# KiCad board Y_BUS_Ctrl.kicad_pcb (continued)
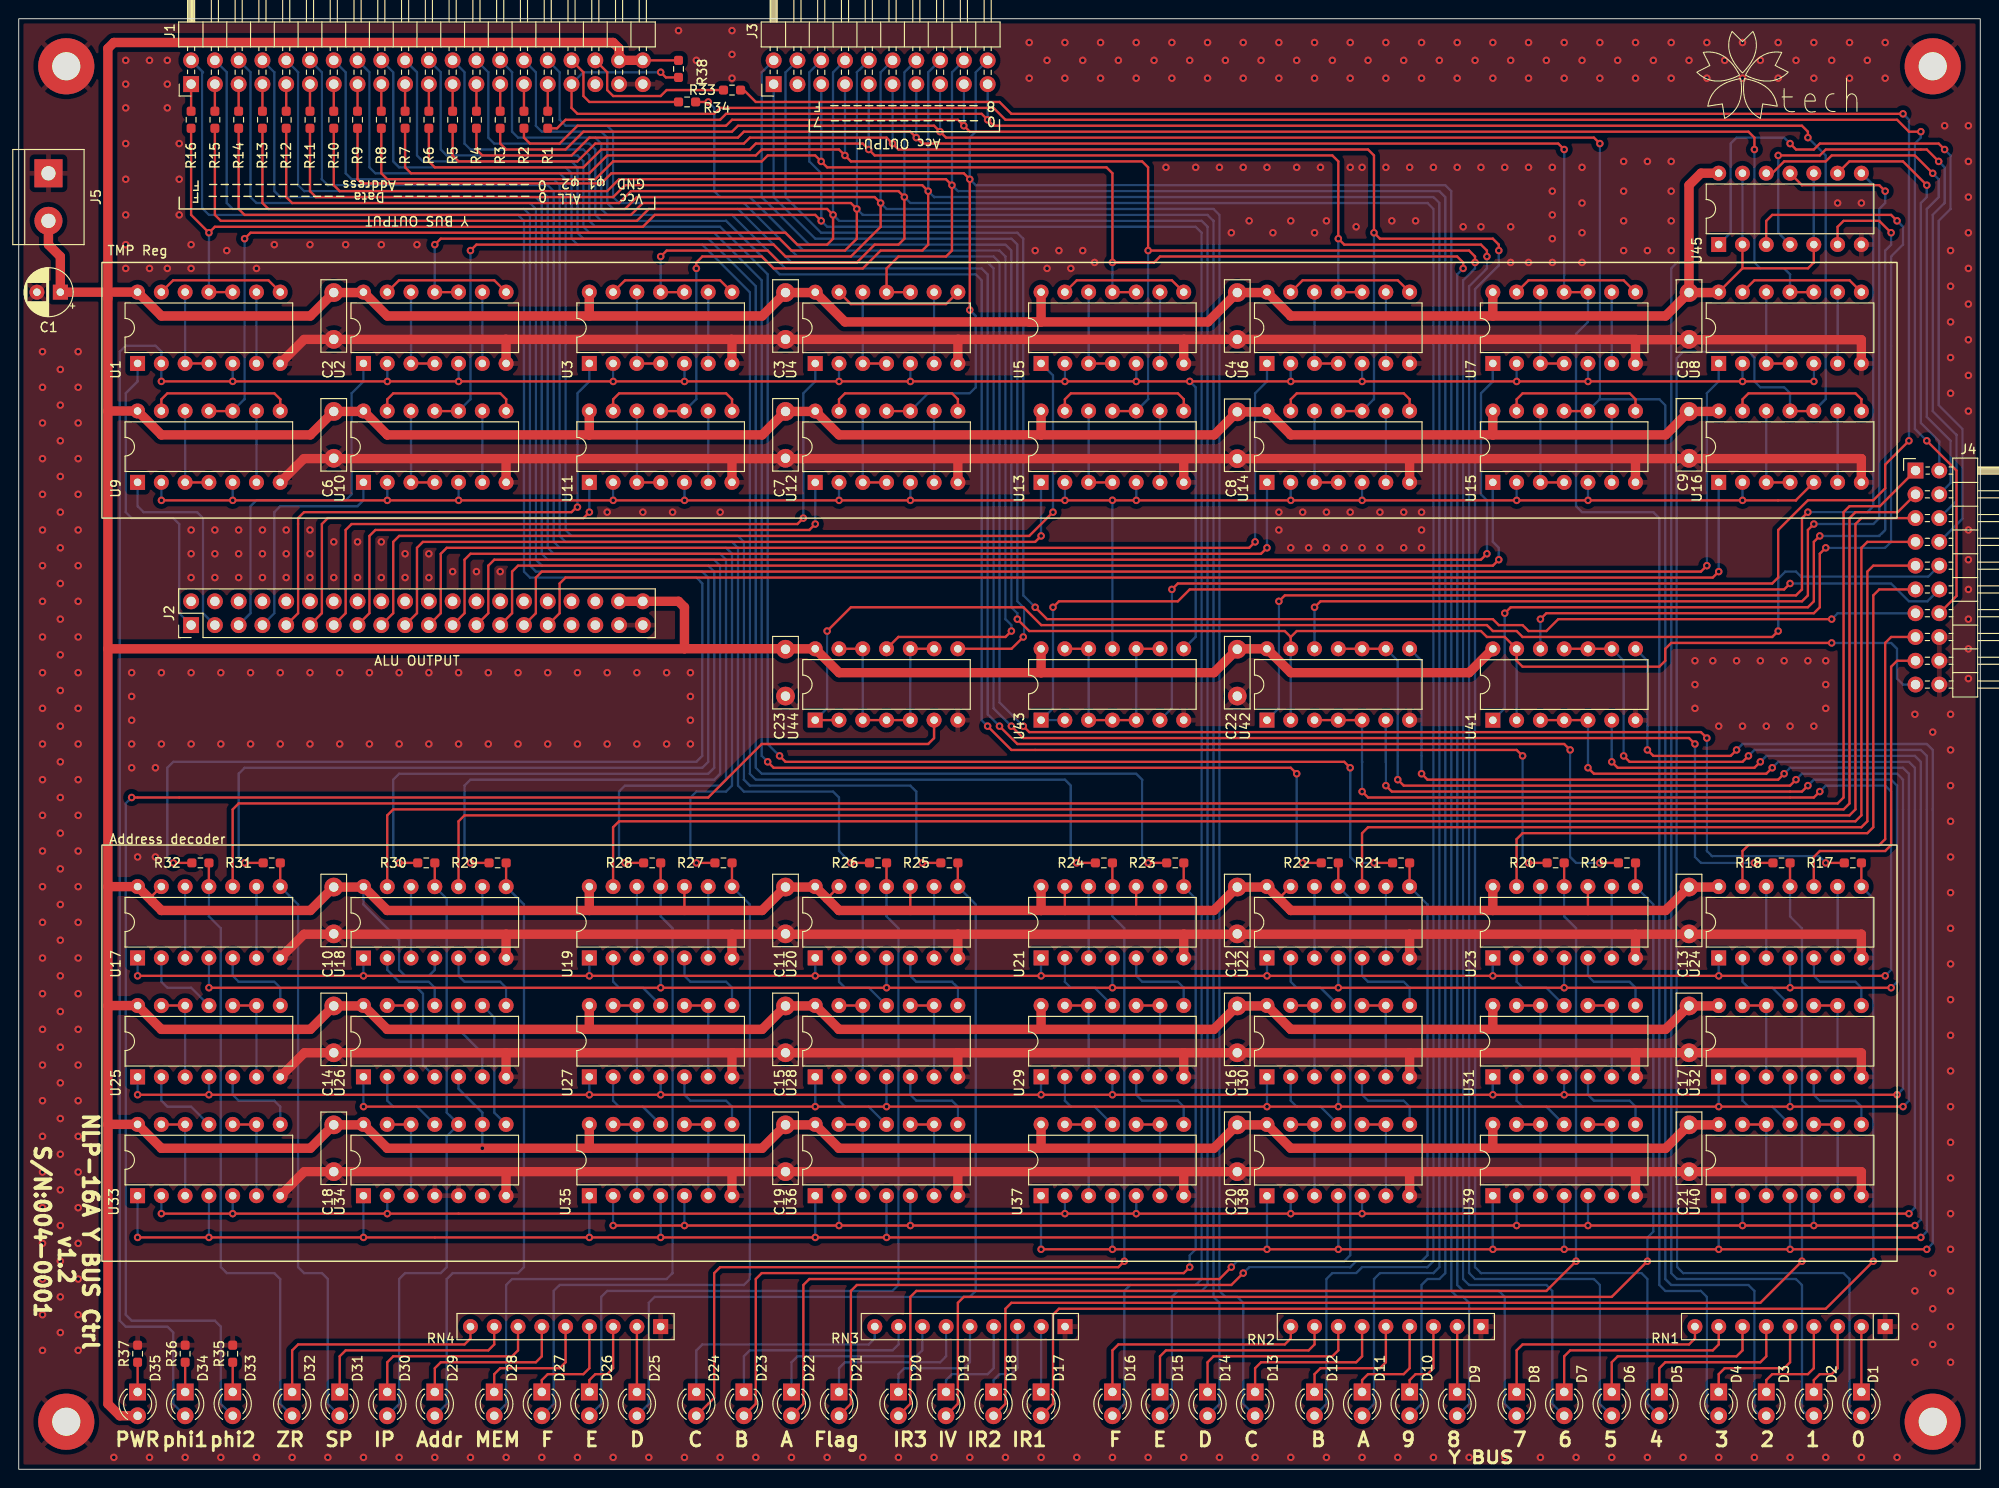
[diagram p0: board, top side]
## Routing (per net, layer and track width the routed paths; a pad name or vN(x,y) marks a point on that pad's centre or on a via; arc(x,y) is an arc through that point) (continued)
OUT6: length 291.2
  Top w0.25: R7.2 41.27,139.06 41.91,138.43 60.96,138.43 62.87,140.33 78.74,140.33 79.38,140.97 87.63,140.97 v1(88.26,140.33) 88.9,139.7 120.02,139.7 120.65,139.06 v1(120.65,130.17) 154.94,130.17 155.58,129.54 v1(155.58,128.9) ; 116.84,113.03 119.38,113.03
  Bottom w0.25: U13.10 120.64,114.3 120.65,114.3 v1(120.65,130.17) ; v1(155.58,128.9) 155.58,128.27 154.31,127 154.31,20.32 154.94,19.69 163.19,19.69 163.83,19.05 163.83,6.99 D7.2 ; v1(88.26,140.33) 88.27,140.34 J3.7
OUT7: length 274.8
  Top w0.25: 116.84,125.73 119.38,125.73 ; R8.2 38.74,138.43 39.37,137.79 61.6,137.79 63.5,139.7 79.38,139.7 80.01,140.33 85.09,140.33 v1(85.72,139.7) 86.36,139.06 116.21,139.06 116.84,138.43 v1(116.84,128.9) 121.28,128.9 121.92,129.54 153.67,129.54 154.31,128.9 v1(154.31,128.27)
  Bottom w0.25: U5.11 116.84,127.63 116.84,127.63 v1(116.84,128.9) ; J3.5 85.73,139.7 v1(85.72,139.7) ; D8.2 158.75,6.99 158.75,18.41 158.12,19.05 154.31,19.05 153.67,19.69 153.67,127.63 v1(154.31,128.27)
OUT8: length 302.7
  Top w0.25: R9.2 36.2,137.79 36.65,137.34 62.23,137.34 63.32,138.43 100.97,138.43 v1(101.6,137.79) v1(101.6,123.82) ; U12.11 U12.10
  Bottom w0.25: U12.10 97.16,114.93 101.6,114.93 102.24,115.57 102.24,123.19 v1(101.6,123.82) ; J3.20 102.24,149.21 102.24,142.88 101.6,142.24 v1(101.6,137.79) 102.24,137.16 152.4,137.16 153.03,136.52 153.03,19.05 153.67,18.41 154.31,18.41 154.94,17.78 154.94,6.99 D9.2
OUT9: length 292.6
  Top w0.25: U4.10 U4.11 92.71,128.27 93.98,129.54 99.06,129.54 99.69,130.17 v1(99.69,137.16) 99.06,137.79 64.13,137.79 62.87,136.52 34.29,136.52 33.65,137.16 R10.2
  Bottom w0.25: D10.2 149.86,6.99 149.86,19.69 150.5,20.32 151.77,20.32 152.4,20.95 152.4,135.89 151.77,136.52 100.33,136.52 v1(99.69,137.16) 99.69,149.21 J3.18
OUT10: length 331
  Top w0.25: v1(72.39,128.27) 72.39,128.9 73.03,129.54 79.38,129.54 80.65,128.27 90.17,128.27 92.08,130.17 96.52,130.17 97.16,130.81 v1(97.16,136.52) 96.52,137.16 64.77,137.16 63.5,135.89 31.75,135.89 31.12,136.52 R11.2 ; 68.58,113.03 71.12,113.03
  Bottom w0.25: U11.10 72.38,114.3 72.39,114.3 v1(72.39,128.27) ; J3.16 97.16,149.21 v1(97.16,136.52) 97.79,135.89 151.13,135.89 151.77,135.25 151.77,21.59 151.13,20.95 145.42,20.95 144.78,20.32 144.78,6.99 D11.2
OUT11: length 325
  Top w0.25: 68.58,125.73 71.12,125.73 ; v1(68.58,129.54) 69.22,130.17 80.01,130.17 81.28,128.9 89.53,128.9 91.44,130.81 93.98,130.81 94.62,131.44 v1(94.62,135.89) 93.98,136.52 65.41,136.52 64.13,135.25 29.21,135.25 28.57,135.89 R12.2
  Bottom w0.25: J3.14 94.62,149.21 v1(94.62,135.89) 95.25,135.25 150.5,135.25 151.13,134.62 151.13,22.22 150.5,21.59 143.51,21.59 142.88,20.95 140.34,20.95 139.7,20.32 139.7,6.99 D12.2 ; v1(68.58,129.54) 68.58,127.64 68.57,127.64 U3.11
OUT12: length 326.8
  Top w0.25: v1(48.26,130.17) 48.9,130.81 80.65,130.81 81.91,129.54 88.9,129.54 92.08,132.71 v1(92.08,135.25) 91.44,135.89 66.04,135.89 64.77,134.62 26.67,134.62 26.03,135.25 R13.2 ; 44.45,113.03 46.99,113.03
  Bottom w0.25: v1(48.26,130.17) 48.26,114.3 48.24,114.3 U10.10 ; J3.12 92.08,149.21 v1(92.08,135.25) 92.71,134.62 127.64,134.62 128.27,133.98 128.27,19.05 128.91,18.41 130.18,18.41 130.81,17.78 130.81,6.99 D13.2
OUT13: length 316.3
  Top w0.25: 44.45,125.73 46.99,125.73 ; R14.2 23.49,134.62 24.13,133.98 65.41,133.98 66.68,135.25 88.9,135.25 v1(89.53,134.62) 89.53,131.44 88.26,130.17 82.55,130.17 81.28,131.44 45.09,131.44 v1(44.45,130.81)
  Bottom w0.25: D14.2 128.27,6.98 128.27,17.78 127.64,18.41 127.64,133.35 127,133.98 90.17,133.98 v1(89.53,134.62) 89.53,149.21 J3.10 ; U2.11 44.45,130.81 v1(44.45,130.81)
OUT14: length 352.4
  Top w0.25: v1(24.13,131.44) 24.77,132.08 81.91,132.08 83.19,130.81 86.36,130.81 87,131.44 v1(87,133.98) 86.36,134.62 67.31,134.62 66.04,133.35 21.59,133.35 20.95,133.98 R15.2 ; 20.32,113.03 22.86,113.03
  Bottom w0.25: U9.10 24.12,114.3 24.13,114.3 v1(24.13,131.44) ; D15.2 123.19,6.98 123.19,18.41 123.83,19.05 126.37,19.05 127,19.69 127,132.71 126.37,133.35 87.63,133.35 v1(87,133.98) 87,149.21 J3.8
OUT15: length 281
  Top w0.25: U1.11 U1.10 ; R16.2 18.41,133.98 v1(20.32,132.08) 20.95,132.71 66.68,132.71 67.94,133.98 85.09,133.98 v1(85.72,133.35)
  Bottom w0.25: v1(20.32,132.08) 20.32,127.64 20.31,127.64 U1.11 ; J3.6 84.46,149.21 84.46,139.7 85.72,138.43 v1(85.72,133.35) 86.36,132.71 125.73,132.71 126.37,132.08 126.37,20.32 125.73,19.69 118.75,19.69 118.11,19.05 118.11,6.99 D16.2
phi1: length 112.2
  Top w0.25: v1(189.23,94.61) 188.59,93.98 125.09,93.98 123.83,92.71 111.12,92.71 v1(110.49,92.07)
  Bottom w0.25: U43.2 U43.1 109.23,80.02 110.49,81.28 v1(110.49,92.07) ; J4.12 203.9,92.71 201.93,92.71 200.03,94.61 v1(189.23,94.61)
phi1_bus: length 16.6
  Top w0.25: J1.36 62.87,149.22 62.87,147.32 63.5,146.69 68.58,146.69 69.22,147.32 R33.2
phi1_Reg1: length 221.9
  Top w0.25: U16.5 189.87,103.52 189.87,103.5 189.86,103.49 v1(15.24,103.49)
  Bottom w0.25: v1(22.87,103.49) 22.87,105.4 22.86,105.41 ; 184.15,105.41 184.15,103.5 v1(184.16,103.49) ; 39.37,105.41 39.37,103.5 v1(39.37,103.49) ; 119.38,105.41 119.39,105.4 v1(119.39,103.49) ; 160.02,105.41 160.02,103.5 v1(160.03,103.49) ; v1(135.9,103.49) 135.89,103.5 135.89,105.41 ; v1(87.63,103.49) 87.63,103.5 U12.2 ; v1(167.65,103.49) 167.65,105.4 167.64,105.41 ; 111.76,105.41 111.76,103.5 v1(111.77,103.49) ; v1(95.25,103.49) 95.25,105.4 U12.5 ; U43.11 116.84,103.5 v1(116.84,103.5) ; v1(143.52,103.49) 143.52,105.4 143.51,105.41 ; 63.5,105.41 63.5,103.5 v1(63.51,103.49) ; 46.99,105.41 46.99,105.4 v1(46.99,103.49) ; v1(71.12,103.49) 71.12,105.4 71.12,105.41 ; 15.24,105.41 15.24,103.5 v1(15.24,103.49)
phi1_Reg2: length 362
  Top w0.25: v1(191.78,116.19) 191.77,116.2 v1(15.24,116.2)
  Bottom w0.25: v1(191.78,116.19) 191.78,118.1 191.77,118.11 ; 39.37,118.11 39.37,116.2 v1(39.37,116.19) ; v1(46.99,116.19) 46.99,118.1 46.99,118.11 ; 167.64,118.11 167.65,118.1 v1(167.65,116.19) ; 111.76,118.11 111.76,116.2 v1(111.77,116.19) ; v1(71.12,116.19) 71.12,118.1 71.12,118.11 ; v1(15.24,116.2) 15.23,116.21 U1.2 15.23,119.37 15.24,119.38 14.6,120.01 11.43,120.01 10.8,119.38 10.8,15.88 11.43,15.24 15.88,15.24 16.51,14.6 16.51,6.98 D34.2 ; U1.5 22.86,118.11 v1(22.86,116.2) ; v1(95.25,116.19) 95.25,118.1 U4.5 ; v1(87.63,116.19) 87.63,116.2 U4.2 ; U43.8 125.72,88.9 125.73,88.9 125.73,115.57 v1(125.09,116.2) ; v1(184.16,116.19) 184.15,116.2 184.15,118.11 ; v1(119.39,116.19) 119.39,118.1 119.38,118.11 ; 135.89,118.11 135.89,116.2 v1(135.9,116.19) ; v1(63.51,116.19) 63.5,116.2 63.5,118.11 ; 160.02,118.11 160.02,116.2 v1(160.03,116.19) ; v1(143.52,116.19) 143.52,118.1 143.51,118.11
phi2: length 140.6
  Top w0.25: v1(86.36,89.53) 88.9,92.07 107.33,92.07 109.24,90.17 156.84,90.17 157.48,89.53 160.02,89.53 160.66,88.9 187.33,88.9 v1(187.96,89.53) ; U44.1 U44.2
  Bottom w0.25: v1(187.96,89.53) 187.96,95.13 188.72,95.88 189.87,95.88 190.41,95.34 204,95.34 J4.10 ; U44.1 86.36,81.29 v1(86.36,89.53)
phi2_Acc: length 90
  Top w0.25: U44.8 106.06,87.64 v1(107.31,88.9)
  Bottom w0.25: J3.1 80.65,146.69 80.65,146.69 80.65,135.89 85.09,131.44 106.05,131.44 106.68,130.81 106.68,92.71 107.41,91.98 107.41,88.99 v1(107.31,88.9)
phi2_bus: length 14.8
  Top w0.25: J1.34 60.32,149.22 60.32,146.69 60.96,146.05 R34.2
Reg_Addr0: length 42.7
  Top w0.25: v1(203.84,137.16) 201.3,139.7 195.56,139.7 U45.9
  Bottom w0.25: J4.2 205.17,109.79 203.2,111.76 203.2,135.25 203.84,135.89 v1(203.84,137.16)
Reg_Addr1: length 56
  Top w0.25: U45.12 187.34,138.44 188.59,139.7 193.04,139.7 193.68,140.33 202.56,140.33 v1(204.47,138.43)
  Bottom w0.25: J4.4 206.38,105.34 206.38,109.85 203.84,112.39 203.84,134.62 205.11,135.89 205.11,137.79 v1(204.47,138.43)
Reg_Addr2: length 68.7
  Top w0.25: v1(205.11,139.7) 203.84,140.97 193.04,140.97 192.41,140.33 v1(187.96,140.33)
  Bottom w0.25: J4.6 207.01,103.44 207.01,110.49 204.47,113.03 204.47,133.98 205.74,135.25 205.74,139.06 v1(205.11,139.7) ; v1(187.96,140.33) 187.96,132.08 187.97,132.08 U45.4
Reg_Addr3: length 80.3
  Top w0.25: v1(205.74,140.97) 205.11,141.6 192.41,141.6 191.77,140.97 189.87,140.97 v1(189.23,141.6)
  Bottom w0.25: v1(189.23,141.6) 188.59,142.24 183.52,142.24 182.88,141.6 182.88,132.09 U45.1 ; J4.8 207.65,101.53 207.65,111.12 205.11,113.66 205.11,133.35 206.38,134.62 206.38,140.33 v1(205.74,140.97)
~Acc: length 178.2
  Top w0.25: v1(108.59,92.07) 109.86,90.8 157.48,90.8 158.12,90.17 160.66,90.17 161.29,89.53 163.19,89.53 164.47,90.8 v1(193.68,90.8)
  Bottom w0.25: J4.13 194.31,91.44 v1(193.68,90.8) ; v1(108.59,92.07) 107.31,93.34 107.31,131.44 106.68,132.08 85.72,132.08 81.91,135.89 81.91,149.21 J3.4
~Address: length 193.9
  Top w0.25: J4.5 196.85,101.6 196.22,100.96 196.22,70.48 195.58,69.85 47.62,69.85 46.99,69.21 46.99,62.24
~Flag: length 92.3
  Top w0.25: U22.10 143.5,67.94 144.15,68.58 196.85,68.58 197.49,69.21 197.49,95.88 198.12,96.52 J4.9
~INTERNAL: length 205.1
  Top w0.25: 135.89,88.89 U42.13 ; 135.89,88.89 136.53,89.53 156.21,89.53 156.84,88.9 158.75,88.9 U41.13 160.02,86.36 160.66,85.72 175.26,85.72 175.9,86.36 175.9,87.63 176.53,88.26 v1(193.68,88.26) ; 135.89,88.89 135.89,88.9 135.25,89.53 107.95,89.53 v1(106.68,90.8)
  Bottom w0.25: U42.13 U42.2 ; U41.13 U41.2 ; v1(193.68,88.26) 200.03,88.26 200.66,87.63 200.66,84.45 201.3,83.82 J4.19 ; v1(106.68,90.8) 106.68,91.44 106.05,92.07 106.05,130.17 105.41,130.81 84.46,130.81 79.38,135.89 79.38,149.22 79.38,149.22 J3.2
~IP: length 202.9
  Top w0.25: J4.3 200.72,102.23 196.22,102.23 195.58,101.6 195.58,71.12 194.94,70.48 40.01,70.48 39.37,69.84 39.37,62.24
~IR1: length 33.9
  Top w0.25: U24.10 191.77,65.4 192.41,66.04 199.39,66.04 200.03,66.67 200.03,85.72 200.66,86.36 J4.17
~IR2: length 44
  Top w0.25: U24.13 184.15,66.03 184.78,66.67 198.75,66.67 199.39,67.31 199.39,88.26 200.03,88.9 J4.15
~IR3: length 73.2
  Top w0.25: J4.11 198.75,93.98 198.12,93.34 198.12,68.58 197.49,67.94 160.66,67.94 160.02,67.3 U23.13
~MEM: length 174.8
  Top w0.25: J4.7 197.49,99.06 196.85,98.42 196.85,69.85 196.22,69.21 64.13,69.21 63.49,68.57 U19.13
~SP: length 220.9
  Top w0.25: J4.1 198.82,102.87 195.58,102.87 194.94,102.23 194.94,71.75 194.31,71.12 23.49,71.12 22.85,70.48 U17.10
Net-(D1-Pad1): length 7
  Top w0.25: 196.85,15.24 D1.1
Net-(D2-Pad1): length 8.8
  Top w0.25: RN1.3 194.31,10.79 193.68,10.16 192.41,10.16 191.77,9.52 D2.1
Net-(D3-Pad1): length 11.3
  Top w0.25: RN1.4 191.77,10.79 191.14,10.16 187.33,10.16 186.69,9.52 D3.1
Net-(D4-Pad1): length 13.9
  Top w0.25: D4.1 181.61,10.16 182.25,10.79 188.59,10.79 189.23,11.43 RN1.5
Net-(D5-Pad1): length 17.7
  Top w0.25: 186.69,15.24 186.69,12.06 186.06,11.43 175.9,11.43 175.26,10.79 D5.1
Net-(D6-Pad1): length 20.2
  Top w0.25: D6.1 170.18,11.43 170.81,12.06 183.52,12.06 184.15,12.7 RN1.7
Net-(D7-Pad1): length 22.7
  Top w0.25: RN1.8 181.61,13.33 180.97,12.7 165.74,12.7 165.1,12.06 D7.1
Net-(D8-Pad1): length 25.3
  Top w0.25: D8.1 160.02,12.7 160.66,13.33 178.44,13.33 179.07,13.97 179.07,15.24
Net-(D9-Pad1): length 7
  Top w0.25: RN2.2 D9.1
Net-(D10-Pad1): length 8.8
  Top w0.25: RN2.3 151.13,10.79 150.5,10.16 149.22,10.16 148.59,9.52 D10.1
Net-(D11-Pad1): length 11.3
  Top w0.25: D11.1 143.51,9.52 144.15,10.16 147.96,10.16 148.59,10.79 RN2.4
Net-(D12-Pad1): length 13.9
  Top w0.25: D12.1 138.43,10.16 139.06,10.79 145.42,10.79 146.05,11.43 RN2.5
Net-(D13-Pad1): length 17.7
  Top w0.25: RN2.6 143.51,12.06 142.88,11.43 132.72,11.43 132.08,10.79 D13.1
Net-(D14-Pad1): length 20.2
  Top w0.25: D14.1 127,11.43 127.64,12.06 140.34,12.06 140.97,12.7 RN2.7
Net-(D15-Pad1): length 22.8
  Top w0.25: RN2.8 138.43,13.33 137.8,12.7 122.56,12.7 121.92,12.06 D15.1
Net-(D16-Pad1): length 25.3
  Top w0.25: RN2.9 135.89,13.97 135.25,13.33 117.47,13.33 116.84,12.7 D16.1
Net-(D17-Pad1): length 7
  Bottom w0.25: D17.1 109.22,15.22 RN3.2
Net-(D18-Pad1): length 8.8
  Bottom w0.25: D18.1 104.14,9.52 104.78,10.16 106.05,10.16 106.69,10.81 RN3.3
Net-(D19-Pad1): length 11.3
  Bottom w0.25: D19.1 99.06,9.52 99.69,10.16 103.5,10.16 104.16,10.81 RN3.4
Net-(D20-Pad1): length 13.9
  Bottom w0.25: D20.1 93.98,10.16 94.62,10.79 100.97,10.79 101.62,11.44 RN3.5
Net-(D21-Pad1): length 17.7
  Bottom w0.25: RN3.6 99.08,12.08 98.43,11.43 88.26,11.43 87.63,10.79 D21.1
Net-(D22-Pad1): length 20.2
  Bottom w0.25: RN3.7 96.53,12.72 95.89,12.06 83.19,12.06 82.55,11.43 D22.1
Net-(D23-Pad1): length 22.8
  Bottom w0.25: D23.1 77.47,12.06 78.1,12.7 93.34,12.7 94,13.35 RN3.8
Net-(D24-Pad1): length 25.3
  Bottom w0.25: RN3.9 91.46,13.98 90.81,13.33 73.03,13.33 72.39,12.7 D24.1
Net-(D25-Pad1): length 7
  Top w0.25: RN4.2 D25.1
Net-(D26-Pad1): length 8.8
  Top w0.25: D26.1 60.96,9.52 61.6,10.16 62.87,10.16 63.5,10.79 RN4.3
Net-(D27-Pad1): length 11.3
  Top w0.25: RN4.4 60.96,10.79 60.32,10.16 56.51,10.16 55.88,9.52 D27.1
Net-(D28-Pad1): length 13.9
  Top w0.25: RN4.5 58.42,11.43 57.79,10.79 51.43,10.79 50.8,10.16 D28.1
Net-(D29-Pad1): length 17.7
  Top w0.25: D29.1 44.45,10.79 45.09,11.43 55.24,11.43 55.88,12.06 RN4.6
Net-(D30-Pad1): length 20.2
  Top w0.25: RN4.7 53.34,12.7 52.71,12.06 40.01,12.06 39.37,11.43 D30.1
Net-(D31-Pad1): length 22.8
  Top w0.25: RN4.8 50.8,13.33 50.16,12.7 34.93,12.7 34.29,12.06 D31.1
Net-(D32-Pad1): length 25.3
  Top w0.25: RN4.9 48.26,13.97 47.62,13.33 29.85,13.33 29.21,12.7 D32.1
Net-(D33-Pad1): length 3.2
  Top w0.25: R35.1 D33.1
Net-(D33-Pad2): length 166.5
  Top w0.25: U44.6 97.78,78.1 97.16,77.47 79.38,77.47 73.66,71.75 v1(12.06,71.75)
  Bottom w0.25: D33.2 21.59,6.99 21.59,15.24 20.95,15.88 12.06,15.88 11.43,16.51 11.43,71.12 v1(12.06,71.75)
Net-(D34-Pad1): length 3.2
  Top w0.25: R36.1 D34.1
Net-(D35-Pad1): length 3.2
  Top w0.25: R37.1 D35.1
Net-(J1-Pad1): length 2.9
  Top w0.25: J1.1 R16.1
Net-(J1-Pad2): length 196.8
  Top w0.25: R32.2 v1(16.51,64.77)
  Bottom w0.25: J1.2 19.69,149.22 19.59,149.13 19.59,134.71 20.32,133.98 53.34,133.98 53.98,133.35 53.98,95.88 54.61,95.25 72.39,95.25 73.03,94.61 73.03,76.2 72.39,75.56 16.51,75.56 15.88,74.93 15.88,65.4 v1(16.51,64.77)
Net-(J1-Pad3): length 2.9
  Top w0.25: R15.1 J1.3
Net-(J1-Pad4): length 187.9
  Top w0.25: R31.2 v1(24.13,64.77)
  Bottom w0.25: J1.4 22.23,149.22 22.23,135.25 22.86,134.62 53.98,134.62 54.61,133.98 54.61,96.52 55.24,95.88 73.03,95.88 73.66,95.25 73.66,75.56 73.03,74.93 24.13,74.93 23.49,74.29 23.49,65.4 v1(24.13,64.77)
Net-(J1-Pad5): length 2.9
  Top w0.25: R14.1 J1.5
Net-(J1-Pad6): length 170.1
  Top w0.25: R30.2 v1(40.64,64.77)
  Bottom w0.25: v1(40.64,64.77) 40.01,65.4 40.01,73.66 40.64,74.29 73.66,74.29 74.29,74.93 74.29,95.88 73.66,96.52 55.88,96.52 55.24,97.15 55.24,134.62 54.61,135.25 25.4,135.25 24.77,135.89 24.77,149.22 J1.6
Net-(J1-Pad7): length 2.9
  Top w0.25: R13.1 J1.7
Net-(J1-Pad8): length 161.2
  Top w0.25: R29.2 v1(48.26,64.77)
  Bottom w0.25: J1.8 27.3,149.22 27.3,136.52 27.94,135.89 55.24,135.89 55.88,135.25 55.88,97.79 56.51,97.15 74.29,97.15 74.93,96.52 74.93,74.29 74.29,73.66 48.26,73.66 47.62,73.02 47.62,65.4 v1(48.26,64.77)
Net-(J1-Pad9): length 2.9
  Top w0.25: R12.1 J1.9
Net-(J1-Pad10): length 143.4
  Top w0.25: R28.2 v1(64.77,64.77)
  Bottom w0.25: J1.10 29.85,149.22 29.85,137.16 30.48,136.52 55.88,136.52 56.51,135.89 56.51,98.42 57.15,97.79 74.93,97.79 75.56,97.15 75.56,73.66 74.93,73.02 64.77,73.02 64.13,72.39 64.13,65.4 v1(64.77,64.77)
Net-(J1-Pad11): length 2.9
  Top w0.25: R11.1 J1.11
Net-(J1-Pad12): length 134.5
  Top w0.25: R27.2 v1(72.39,64.77)
  Bottom w0.25: v1(72.39,64.77) 71.75,65.4 71.75,71.75 72.39,72.39 75.56,72.39 76.2,73.02 76.2,97.79 75.56,98.42 57.79,98.42 57.15,99.06 57.15,136.52 56.51,137.16 33.02,137.16 32.38,137.79 32.38,149.22 J1.12
Net-(J1-Pad13): length 2.9
  Top w0.25: R10.1 J1.13
Net-(J1-Pad14): length 139.2
  Top w0.25: R26.2 v1(88.9,64.77)
  Bottom w0.25: v1(88.9,64.77) 87.63,66.04 87.63,71.75 87,72.39 77.47,72.39 76.84,73.02 76.84,98.42 76.2,99.06 58.42,99.06 57.79,99.69 57.79,137.16 57.15,137.79 35.56,137.79 34.93,138.43 34.93,149.22 J1.14
Net-(J1-Pad15): length 2.9
  Top w0.25: R9.1 J1.15
Net-(J1-Pad16): length 144.7
  Top w0.25: R25.2 v1(96.52,64.77)
  Bottom w0.25: v1(96.52,64.77) 95.89,65.4 95.89,72.39 95.25,73.02 78.1,73.02 77.47,73.66 77.47,99.06 76.84,99.69 59.05,99.69 58.42,100.33 58.42,137.79 57.79,138.43 38.1,138.43 37.46,139.06 37.46,149.22 J1.16
Net-(J1-Pad17): length 2.9
  Top w0.25: R8.1 J1.17
Net-(J1-Pad18): length 156.1
  Top w0.25: R24.2 v1(113.03,64.77)
  Bottom w0.25: J1.18 40.01,149.22 40.01,139.7 40.64,139.06 58.42,139.06 59.05,138.43 59.05,131.44 59.69,130.81 73.03,130.81 78.1,125.73 78.1,74.29 78.74,73.66 111.76,73.66 112.4,73.02 112.4,65.4 v1(113.03,64.77)
Net-(J1-Pad19): length 2.9
  Top w0.25: R7.1 J1.19
Net-(J1-Pad20): length 161.1
  Top w0.25: R23.2 v1(120.65,64.77)
  Bottom w0.25: v1(120.65,64.77) 120.02,65.4 120.02,73.66 119.38,74.29 79.38,74.29 78.74,74.93 78.74,126.36 73.66,131.44 60.32,131.44 59.69,132.08 59.69,139.06 59.05,139.7 43.18,139.7 42.54,140.33 42.54,149.22 J1.20
Net-(J1-Pad21): length 2.9
  Top w0.25: R6.1 J1.21
Net-(J1-Pad22): length 174.7
  Top w0.25: R22.2 v1(137.16,64.77) ; v1(80.01,75.56) 80.65,74.93 135.89,74.93 v1(136.53,74.29)
  Bottom w0.25: J1.22 45.09,149.22 45.09,140.97 45.72,140.33 59.69,140.33 60.32,139.7 60.32,132.71 60.96,132.08 74.29,132.08 79.38,127 79.38,76.2 v1(80.01,75.56) ; v1(136.53,74.29) 136.53,65.4 v1(137.16,64.77)
Net-(J1-Pad23): length 2.9
  Top w0.25: R5.1 J1.23
Net-(J1-Pad24): length 179.4
  Top w0.25: R21.2 v1(144.78,64.77) ; v1(142.24,74.93) 141.61,75.56 81.91,75.56 v1(81.28,76.2)
  Bottom w0.25: v1(144.78,64.77) 142.88,64.77 142.24,65.4 v1(142.24,74.93) ; v1(81.28,76.2) 80.01,77.47 80.01,127.63 74.93,132.71 61.6,132.71 60.96,133.35 60.96,140.33 60.32,140.97 48.26,140.97 47.62,141.6 47.62,149.22 J1.24
Net-(J1-Pad25): length 2.9
  Top w0.25: R4.1 J1.25
Net-(J1-Pad26): length 191.9
  Top w0.25: v1(160.66,76.2) 160.02,76.83 106.05,76.83 v1(103.5,79.37) ; R20.2 v1(161.29,64.77)
  Bottom w0.25: v1(161.29,64.77) 160.66,65.4 v1(160.66,76.2) ; v1(103.5,79.37) 102.87,80.01 102.87,127 102.24,127.63 81.28,127.63 75.56,133.35 62.23,133.35 61.6,133.98 61.6,140.97 60.96,141.6 50.8,141.6 50.16,142.24 50.16,149.22 J1.26
Net-(J1-Pad27): length 2.9
  Top w0.25: R3.1 J1.27
Net-(J1-Pad28): length 197
  Top w0.25: R19.2 v1(168.91,64.77) ; v1(165.74,76.83) 165.1,77.47 106.68,77.47 v1(104.78,79.37)
  Bottom w0.25: J1.28 52.71,149.22 52.71,142.88 53.34,142.24 61.6,142.24 62.23,141.6 62.23,134.62 62.87,133.98 76.2,133.98 81.91,128.27 102.87,128.27 103.5,127.63 103.5,80.64 v1(104.78,79.37) ; v1(168.91,64.77) 166.37,64.77 165.74,65.4 v1(165.74,76.83)
Net-(J1-Pad29): length 2.9
  Top w0.25: R2.1 J1.29
Net-(J1-Pad30): length 211
  Top w0.25: v1(106.05,79.37) 107.31,78.1 178.44,78.1 v1(179.07,77.47) ; R18.2 v1(185.42,64.77)
  Bottom w0.25: v1(106.05,79.37) 104.14,81.28 104.14,128.27 103.5,128.9 82.55,128.9 76.84,134.62 63.5,134.62 62.87,135.25 62.87,142.24 62.23,142.88 55.88,142.88 55.24,143.51 55.24,149.22 J1.30 ; v1(179.07,77.47) 179.07,65.4 179.71,64.77 v1(185.42,64.77)
Net-(J1-Pad31): length 2.9
  Top w0.25: J1.31 R1.1
Net-(J1-Pad32): length 215.7
  Top w0.25: R17.2 v1(193.04,64.77) ; v1(107.31,79.37) 107.95,78.74 179.71,78.74 v1(180.34,78.1)
  Bottom w0.25: v1(180.34,78.1) 180.34,66.04 180.89,65.49 192.31,65.49 v1(193.04,64.77) ; v1(107.31,79.37) 104.78,81.91 104.78,128.9 104.14,129.54 83.19,129.54 77.47,135.25 64.13,135.25 63.5,135.89 63.5,142.88 62.87,143.51 58.42,143.51 57.79,144.14 57.79,149.22 J1.32
Net-(R33-Pad1): length 264.7
  Top w0.25: R33.1 77.47,147.32 78.74,146.05 104.78,146.05 106.05,144.78 v1(201.3,144.78) ; v1(123.19,93.98) 123.83,94.61 187.33,94.61 187.96,95.25 187.96,100.33 191.14,103.5 198.12,103.5 199.39,104.77 199.39,107.31 v1(201.93,109.85)
  Bottom w0.25: v1(201.93,109.85) 201.93,144.14 v1(201.3,144.78) ; U43.6 123.19,81.29 v1(123.19,93.98)
Net-(R34-Pad1): length 99.5
  Top w0.25: v1(106.05,89.53) 105.41,88.9 93.97,88.9 U44.11 ; v1(73.66,146.05) R34.1
  Bottom w0.25: v1(106.05,89.53) 106.05,90.17 105.41,90.8 105.41,129.54 104.78,130.17 83.82,130.17 78.1,135.89 74.93,135.89 74.29,136.52 74.29,145.41 v1(73.66,146.05)
Net-(U1-Pad6): length 7.6
  Bottom w0.25: U1.9 U1.6
Net-(U1-Pad12): length 10.2
  Top w0.25: U1.4 U1.3
  Bottom w0.25: U1.12 U1.3
Net-(U1-Pad13): length 13.7
  Top w0.25: U1.13 16.49,127 26.67,127 U1.8
Net-(U2-Pad6): length 7.6
  Bottom w0.25: 49.53,125.73 49.53,118.11
Net-(U2-Pad12): length 10.2
  Top w0.25: 44.45,118.11 41.91,118.11
  Bottom w0.25: 41.91,125.73 41.91,118.11
Net-(U2-Pad13): length 13.7
  Top w0.25: 52.07,125.73 50.8,127 40.62,127 39.37,125.74
Net-(U3-Pad6): length 7.6
  Bottom w0.25: 73.66,125.73 73.66,118.11
Net-(U3-Pad12): length 10.2
  Top w0.25: 68.58,118.11 66.04,118.11
  Bottom w0.25: 66.04,125.73 66.04,118.11
Net-(U3-Pad13): length 13.8
  Top w0.25: 76.2,125.73 74.93,127 64.77,127 63.5,125.73
Net-(U4-Pad6): length 7.6
  Bottom w0.25: U4.9 U4.6
Net-(U4-Pad12): length 10.2
  Top w0.25: U4.4 U4.3
  Bottom w0.25: U4.12 U4.3
Net-(U4-Pad13): length 13.8
  Top w0.25: U4.8 99.06,124.46 88.9,124.46 U4.13
Net-(U5-Pad6): length 7.6
  Bottom w0.25: 121.92,125.73 121.92,118.11
Net-(U5-Pad12): length 10.2
  Top w0.25: 116.84,118.11 114.3,118.11
  Bottom w0.25: 114.3,125.73 114.3,118.11
Net-(U5-Pad13): length 13.8
  Top w0.25: 124.46,125.73 123.19,127 113.03,127 111.76,125.73
Net-(U6-Pad6): length 7.6
  Bottom w0.25: 146.05,125.73 146.05,118.11
Net-(U6-Pad12): length 10.2
  Top w0.25: 140.97,118.11 138.43,118.11
  Bottom w0.25: 138.43,125.73 138.43,118.11
Net-(U6-Pad13): length 13.8
  Top w0.25: 135.89,125.73 137.16,127 147.33,127 148.59,125.73
Net-(U7-Pad6): length 7.6
  Bottom w0.25: 170.18,125.73 170.18,118.11
Net-(U7-Pad12): length 10.2
  Top w0.25: 165.1,118.11 162.56,118.11
  Bottom w0.25: 162.56,125.73 162.56,118.11
Net-(U7-Pad13): length 13.8
  Top w0.25: 160.02,125.73 161.29,127 171.45,127 172.72,125.73
Net-(U8-Pad6): length 7.6
  Bottom w0.25: 194.31,125.73 194.31,118.11
Net-(U8-Pad12): length 10.2
  Top w0.25: 189.23,118.11 186.69,118.11
  Bottom w0.25: 186.69,125.73 186.69,118.11
Net-(U8-Pad13): length 13.8
  Top w0.25: 196.85,125.73 195.59,127 185.42,127 184.15,125.73
Net-(U9-Pad6): length 7.6
  Bottom w0.25: 25.4,113.03 25.4,105.41
Net-(U9-Pad12): length 10.2
  Top w0.25: 20.32,105.41 17.78,105.41
  Bottom w0.25: 17.78,113.03 17.78,105.41
Net-(U9-Pad13): length 15.8
  Top w0.25: 15.24,113.03 15.24,114.28 15.88,114.92 27.31,114.92 27.95,114.29 27.94,114.28 27.94,113.03
Net-(U10-Pad6): length 7.6
  Bottom w0.25: 49.53,113.03 49.53,105.41
Net-(U10-Pad12): length 10.2
  Top w0.25: 44.45,105.41 41.91,105.41
  Bottom w0.25: 41.91,113.03 41.91,105.41
Net-(U10-Pad13): length 15.8
  Top w0.25: 39.37,113.03 39.37,114.28 40.01,114.92 51.44,114.92 52.07,114.29 52.07,114.28 52.07,113.03
Net-(U11-Pad6): length 7.6
  Bottom w0.25: 73.66,113.03 73.66,105.41
Net-(U11-Pad12): length 10.2
  Top w0.25: 68.58,105.41 66.04,105.41
  Bottom w0.25: 66.04,113.03 66.04,105.41
Net-(U11-Pad13): length 15.8
  Top w0.25: 63.5,113.03 63.5,114.28 64.14,114.92 75.57,114.92 76.21,114.29 76.2,114.28 76.2,113.03
Net-(U12-Pad6): length 7.6
  Bottom w0.25: U12.9 U12.6
Net-(U12-Pad12): length 10.2
  Top w0.25: U12.4 U12.3
  Bottom w0.25: U12.12 U12.3
Net-(U12-Pad13): length 15.8
  Top w0.25: U12.8 100.33,114.28 100.34,114.29 99.7,114.92 88.27,114.92 87.63,114.28 U12.13
Net-(U13-Pad6): length 7.6
  Bottom w0.25: 121.92,113.03 121.92,105.41
Net-(U13-Pad12): length 10.2
  Top w0.25: 116.84,105.41 114.3,105.41
  Bottom w0.25: 114.3,113.03 114.3,105.41
Net-(U13-Pad13): length 15.8
  Top w0.25: 124.46,113.03 124.46,114.28 124.47,114.29 123.83,114.92 112.4,114.92 111.76,114.28 111.76,113.03
Net-(U14-Pad6): length 7.6
  Bottom w0.25: 146.05,113.03 146.05,105.41
Net-(U14-Pad12): length 10.2
  Top w0.25: 140.97,105.41 138.43,105.41
  Bottom w0.25: 138.43,113.03 138.43,105.41
Net-(U14-Pad13): length 15.8
  Top w0.25: 135.89,113.03 135.89,114.28 136.53,114.92 147.96,114.92 148.59,114.29 148.59,114.28 148.59,113.03
Net-(U15-Pad6): length 7.6
  Bottom w0.25: 170.18,113.03 170.18,105.41
Net-(U15-Pad12): length 10.2
  Top w0.25: 165.1,105.41 162.56,105.41
  Bottom w0.25: 162.56,113.03 162.56,105.41
Net-(U15-Pad13): length 15.8
  Top w0.25: 172.72,113.03 172.72,114.28 172.72,114.29 172.09,114.92 160.66,114.92 160.02,114.28 160.02,113.03
Net-(U16-Pad6): length 7.6
  Bottom w0.25: 194.31,113.03 194.31,105.41
Net-(U16-Pad12): length 10.2
  Top w0.25: 189.23,105.41 186.69,105.41
  Bottom w0.25: 186.69,113.03 186.69,105.41
Net-(U16-Pad13): length 15.8
  Top w0.25: 196.85,113.03 196.85,114.28 196.86,114.29 196.22,114.92 184.79,114.92 184.15,114.28 184.15,113.03
Net-(U17-Pad2): length 8.7
  Bottom w0.25: 15.24,54.61 15.24,52.07 15.88,51.44 18.42,51.44 20.31,49.54
Net-(U17-Pad5): length 9.4
  Bottom w0.25: 27.93,49.54 27.93,51.44 27.3,52.07 23.49,52.07 22.86,52.7 22.86,54.61
Net-(U17-Pad6): length 7.6
  Bottom w0.25: 25.4,54.61 25.4,62.23
Net-(U17-Pad12): length 7.6
  Bottom w0.25: 17.78,62.23 17.78,54.61
Net-(U18-Pad2): length 9
  Bottom w0.25: 39.37,54.61 39.37,53.34 40.64,52.07 43.82,52.07 44.45,51.44 U26.11
Net-(U18-Pad5): length 9.4
  Bottom w0.25: U26.8 52.07,51.43 52.07,51.44 51.43,52.07 47.62,52.07 46.99,52.7 U18.5
Net-(U18-Pad6): length 7.6
  Bottom w0.25: 49.53,62.23 49.53,54.61
Net-(U18-Pad12): length 7.6
  Bottom w0.25: U18.12 U18.3
Net-(U19-Pad2): length 8.7
  Bottom w0.25: 63.5,54.61 63.5,52.07 64.13,51.44 66.68,51.44 U27.11
Net-(U19-Pad5): length 9.4
  Bottom w0.25: U27.8 76.19,51.44 75.56,52.07 71.75,52.07 71.12,52.7 71.12,54.61
Net-(U19-Pad6): length 7.6
  Bottom w0.25: 73.66,54.61 73.66,62.23
Net-(U19-Pad12): length 7.6
  Bottom w0.25: 66.04,62.23 66.04,54.61
Net-(U20-Pad2): length 8.7
  Bottom w0.25: 87.63,54.61 87.63,52.07 88.26,51.44 90.81,51.44 U28.11
Net-(U20-Pad5): length 9.4
  Bottom w0.25: 95.25,54.61 95.25,52.7 95.89,52.07 99.69,52.07 100.33,51.44 U28.8
Net-(U20-Pad6): length 7.6
  Bottom w0.25: 97.79,54.61 97.79,62.23
Net-(U20-Pad12): length 7.6
  Bottom w0.25: 90.17,62.23 90.17,54.61
Net-(U21-Pad2): length 8.7
  Bottom w0.25: 111.76,54.61 111.76,52.07 112.4,51.44 114.94,51.44 U29.11
Net-(U21-Pad5): length 9.4
  Bottom w0.25: 119.38,54.61 119.38,52.7 120.02,52.07 123.83,52.07 124.46,51.44 U29.8
Net-(U21-Pad6): length 7.6
  Bottom w0.25: 121.92,54.61 121.92,62.23
Net-(U21-Pad12): length 7.6
  Bottom w0.25: 114.3,62.23 114.3,54.61
Net-(U22-Pad2): length 8.7
  Bottom w0.25: U30.11 139.07,51.44 136.53,51.44 135.89,52.07 135.89,54.61
Net-(U22-Pad5): length 9.4
  Bottom w0.25: 143.51,54.61 143.51,52.7 144.15,52.07 147.96,52.07 148.59,51.44 U30.8
Net-(U22-Pad6): length 7.6
  Bottom w0.25: 146.05,54.61 146.05,62.23
Net-(U22-Pad12): length 7.6
  Bottom w0.25: 138.43,62.23 138.43,54.61
Net-(U23-Pad2): length 8.7
  Bottom w0.25: U31.11 163.2,51.44 160.66,51.44 160.02,52.07 160.02,54.61
Net-(U23-Pad5): length 9.4
  Bottom w0.25: U31.8 172.72,51.44 172.09,52.07 168.28,52.07 167.64,52.7 167.64,54.61
Net-(U23-Pad6): length 7.6
  Bottom w0.25: 170.18,54.61 170.18,62.23
Net-(U23-Pad12): length 7.6
  Bottom w0.25: 162.56,62.23 162.56,54.61
Net-(U24-Pad2): length 8.7
  Bottom w0.25: 189.22,49.54 187.33,51.44 184.78,51.44 184.15,52.07 184.15,54.61
Net-(U24-Pad5): length 9.4
  Bottom w0.25: 191.77,54.61 191.77,52.7 192.41,52.07 196.22,52.07 196.84,51.44 196.84,49.54
Net-(U24-Pad6): length 7.6
  Bottom w0.25: 194.31,54.61 194.31,62.23
Net-(U24-Pad12): length 7.6
  Bottom w0.25: 186.69,62.23 186.69,54.61
Net-(U25-Pad2): length 8.7
  Bottom w0.25: 20.32,36.83 18.41,38.73 15.88,38.73 15.23,39.38 15.23,41.92
Net-(U25-Pad5): length 9.4
  Bottom w0.25: 27.94,36.83 27.94,38.73 27.3,39.37 23.49,39.37 22.85,40.01 22.85,41.92
Net-(U25-Pad10): length 10.2
  Top w0.25: 22.85,49.54 25.4,49.54
  Bottom w0.25: 25.4,41.92 25.4,49.54
Net-(U25-Pad12): length 10.2
  Top w0.25: 15.23,49.54 17.77,49.54
  Bottom w0.25: 17.77,49.54 17.77,41.92
Net-(U26-Pad2): length 8.7
  Bottom w0.25: U26.2 39.37,39.38 40.01,38.73 42.54,38.73 44.45,36.83
Net-(U26-Pad9): length 13.8
  Bottom w0.25: U34.8 50.8,38.1 50.8,48.26 U26.9
Net-(U26-Pad10): length 8.7
  Bottom w0.25: U26.6 49.52,44.44 49.53,44.45 46.99,46.99 U26.10
Net-(U26-Pad12): length 10.2
  Top w0.25: U26.13 U26.12
  Bottom w0.25: U26.12 U26.3
Net-(U27-Pad2): length 8.7
  Bottom w0.25: 68.58,36.83 66.68,38.73 64.13,38.73 63.49,39.38 U27.2
Net-(U27-Pad5): length 9.4
  Bottom w0.25: 76.2,36.83 76.2,38.73 75.56,39.37 71.75,39.37 71.12,40.01 U27.5
Net-(U27-Pad10): length 10.2
  Top w0.25: U27.10 U27.9
  Bottom w0.25: U27.6 U27.9
Net-(U27-Pad12): length 10.2
  Top w0.25: U27.13 U27.12
  Bottom w0.25: U27.12 U27.3
Net-(U28-Pad2): length 8.7
  Bottom w0.25: U28.2 87.62,39.38 88.26,38.73 90.81,38.73 92.71,36.83
Net-(U28-Pad5): length 9.4
  Bottom w0.25: 100.33,36.83 100.33,38.73 99.69,39.37 95.89,39.37 95.25,40.01 U28.5
Net-(U28-Pad10): length 10.2
  Top w0.25: U28.10 U28.9
  Bottom w0.25: U28.6 U28.9
Net-(U28-Pad12): length 10.2
  Top w0.25: U28.13 U28.12
  Bottom w0.25: U28.12 U28.3
Net-(U29-Pad2): length 8.7
  Bottom w0.25: U29.2 111.75,39.38 112.4,38.73 114.94,38.73 116.84,36.83
Net-(U29-Pad5): length 9.4
  Bottom w0.25: 124.46,36.83 124.46,38.73 123.83,39.37 120.02,39.37 119.38,40.01 U29.5
Net-(U29-Pad10): length 10.2
  Top w0.25: U29.10 U29.9
  Bottom w0.25: U29.6 U29.9
Net-(U29-Pad12): length 10.2
  Top w0.25: U29.13 U29.12
  Bottom w0.25: U29.12 U29.3
Net-(U30-Pad2): length 8.7
  Bottom w0.25: U30.2 135.89,39.38 136.53,38.73 139.06,38.73 U38.11
Net-(U30-Pad5): length 9.4
  Bottom w0.25: U38.8 148.59,38.73 147.96,39.37 144.15,39.37 143.5,40.01 U30.5
Net-(U30-Pad10): length 10.2
  Top w0.25: U30.10 U30.9
  Bottom w0.25: U30.6 U30.9
Net-(U30-Pad12): length 10.2
  Top w0.25: U30.13 U30.12
  Bottom w0.25: U30.12 U30.3
Net-(U31-Pad2): length 8.7
  Bottom w0.25: U31.2 160.02,39.38 160.66,38.73 163.19,38.73 165.1,36.83
Net-(U31-Pad5): length 9.4
  Bottom w0.25: U31.5 167.64,40.01 168.28,39.37 172.09,39.37 172.72,38.73 172.72,36.83
Net-(U31-Pad10): length 10.2
  Top w0.25: U31.10 U31.9
  Bottom w0.25: U31.6 U31.9
Net-(U31-Pad12): length 10.2
  Top w0.25: U31.13 U31.12
  Bottom w0.25: U31.12 U31.3
Net-(U32-Pad2): length 8.7
  Bottom w0.25: 189.23,36.83 187.33,38.73 184.78,38.73 184.15,39.38 184.15,41.92
Net-(U32-Pad5): length 9.4
  Bottom w0.25: 196.85,36.83 196.85,38.73 196.22,39.37 192.41,39.37 191.77,40.01 191.77,41.92
Net-(U32-Pad10): length 10.2
  Top w0.25: 191.77,49.54 194.31,49.54
  Bottom w0.25: 194.31,41.92 194.31,49.54
Net-(U32-Pad12): length 10.2
  Top w0.25: 184.15,49.54 186.69,49.54
  Bottom w0.25: 186.69,49.54 186.69,41.92
Net-(U33-Pad10): length 10.2
  Top w0.25: 22.86,36.83 25.4,36.83
  Bottom w0.25: 25.4,29.21 25.4,36.83
Net-(U33-Pad12): length 10.2
  Top w0.25: 15.24,36.83 17.78,36.83
  Bottom w0.25: 17.78,29.21 17.78,36.83
Net-(U34-Pad12): length 10.2
  Top w0.25: 39.37,36.83 41.91,36.83
  Bottom w0.25: 41.91,29.21 41.91,36.83
Net-(U35-Pad10): length 10.2
  Top w0.25: 71.12,36.83 73.66,36.83
  Bottom w0.25: 73.66,29.21 73.66,36.83
Net-(U35-Pad12): length 10.2
  Top w0.25: 63.5,36.83 66.04,36.83
  Bottom w0.25: 66.04,29.21 66.04,36.83
Net-(U36-Pad10): length 10.2
  Top w0.25: 95.25,36.83 97.79,36.83
  Bottom w0.25: 97.79,29.21 97.79,36.83
Net-(U36-Pad12): length 10.2
  Top w0.25: 87.63,36.83 90.17,36.83
  Bottom w0.25: 90.17,29.21 90.17,36.83
Net-(U37-Pad10): length 10.2
  Top w0.25: 119.38,36.83 121.92,36.83
  Bottom w0.25: 121.92,29.21 121.92,36.83
Net-(U37-Pad12): length 10.2
  Top w0.25: 111.76,36.83 114.3,36.83
  Bottom w0.25: 114.3,29.21 114.3,36.83
Net-(U38-Pad10): length 10.2
  Top w0.25: U38.10 U38.9
  Bottom w0.25: U38.6 U38.9
Net-(U38-Pad12): length 10.2
  Top w0.25: U38.13 U38.12
  Bottom w0.25: U38.3 U38.12
Net-(U39-Pad10): length 10.2
  Top w0.25: 167.64,36.83 170.18,36.83
  Bottom w0.25: 170.18,29.21 170.18,36.83
Net-(U39-Pad12): length 10.2
  Top w0.25: 160.02,36.83 162.56,36.83
  Bottom w0.25: 162.56,29.21 162.56,36.83
Net-(U40-Pad10): length 10.2
  Top w0.25: 191.77,36.83 194.31,36.83
  Bottom w0.25: 194.31,29.21 194.31,36.83
Net-(U40-Pad12): length 10.2
  Top w0.25: 184.15,36.83 186.69,36.83
  Bottom w0.25: 186.69,29.21 186.69,36.83
Net-(U41-Pad1): length 100.4
  Top w0.25: U45.6 194.31,132.71 194.94,133.35 198.75,133.35 v1(200.03,132.08) ; v1(158.75,91.44) 159.39,92.07 191.14,92.07 191.77,92.71 191.77,99.06 v1(192.41,99.69)
  Bottom w0.25: U41.1 158.75,81.28 v1(158.75,91.44) ; v1(200.03,132.08) 200.03,130.81 199.39,130.17 199.39,100.33 198.75,99.69 v1(192.41,99.69)
Net-(U41-Pad12): length 99.5
  Top w0.25: v1(193.04,98.42) 192.41,97.79 192.41,92.07 191.77,91.44 163.19,91.44 v1(162.56,90.8) ; v1(200.66,133.35) 200.03,133.98 187.33,133.98 186.69,133.34 U45.3
  Bottom w0.25: v1(162.56,90.8) U41.12 ; v1(200.66,133.35) 201.3,132.71 201.3,130.81 200.03,129.54 200.03,99.06 199.39,98.42 v1(193.04,98.42)
Net-(U42-Pad1): length 121.5
  Top w0.25: v1(134.62,92.71) 135.25,93.34 189.87,93.34 190.5,93.98 190.5,101.6 v1(191.14,102.23)
  Bottom w0.25: U42.1 134.61,81.28 134.62,81.28 v1(134.62,92.71) ; U45.8 198.12,137.16 198.12,102.87 197.49,102.23 v1(191.14,102.23)
Net-(U42-Pad12): length 118.9
  Top w0.25: v1(191.77,100.96) 191.14,100.33 191.14,93.34 190.5,92.71 139.06,92.71 v1(138.43,92.07) ; U45.11 190.5,137.16 190.5,137.16 198.75,137.16 v1(199.39,136.52)
  Bottom w0.25: U42.12 138.43,92.07 v1(138.43,92.07) ; v1(191.77,100.96) 198.12,100.96 198.75,101.6 198.75,134.62 199.39,135.25 v1(199.39,136.52)
Net-(U43-Pad10): length 25.4
  Top w0.25: U43.10 U43.9 ; U43.3 U43.5 ; U43.13 U43.12
  Bottom w0.25: U43.5 U43.10 ; U43.12 U43.3
Net-(U44-Pad10): length 25.4
  Top w0.25: U44.3 U44.5 ; U44.9 U44.10 ; U44.12 U44.13
  Bottom w0.25: U44.10 U44.5 ; U44.12 U44.3

## Copper pours and planes (outline as drawn; the poured copper is in the pictures)
GND on Top, Bottom: 209.55,0 0,0 0,154.94 209.55,154.94

## Text on the board
F.Silkscreen: TMP Reg | Address decoder | ALU OUTPUT | 0 ----------- Address ----------- F | 0 ------------ Data ------------ F | Y BUS OUTPUT | ALL / φ1 φ2 | Vcc / GND | Acc OUTPUT | 0 ------------- 7 / 8 ------------- F | Y BUS | PWR | phi1 | phi2 | ZR  SP  IP  Addr | MEM  F   E   D | C   B   A  Flag | IR3 IV IR2 IR1 | F   E   D   C | B   A   9   8 | 7   6   5   4 | 3   2   1   0 | NLP-16A Y BUS Ctrl / v1.2 / S/N:004-0001
